# Altium PCB PCB_Layout_1.PcbDoc (part 3 of 3)
Units mm, origin at the board's own origin, x right, y up, seen from the top; angles counter-clockwise.
Board outline 151 x 101.6 mm, 6 copper layers (Top Layer, Int1 (GND), Int2 (PWR), Int3 (PWR), Int4 (GND), Bottom Layer), stack 1.831 mm thick; 257 components, 234 nets, 854 pads, 2543 vias.
Unrouted connection lines stored in the file: 1.
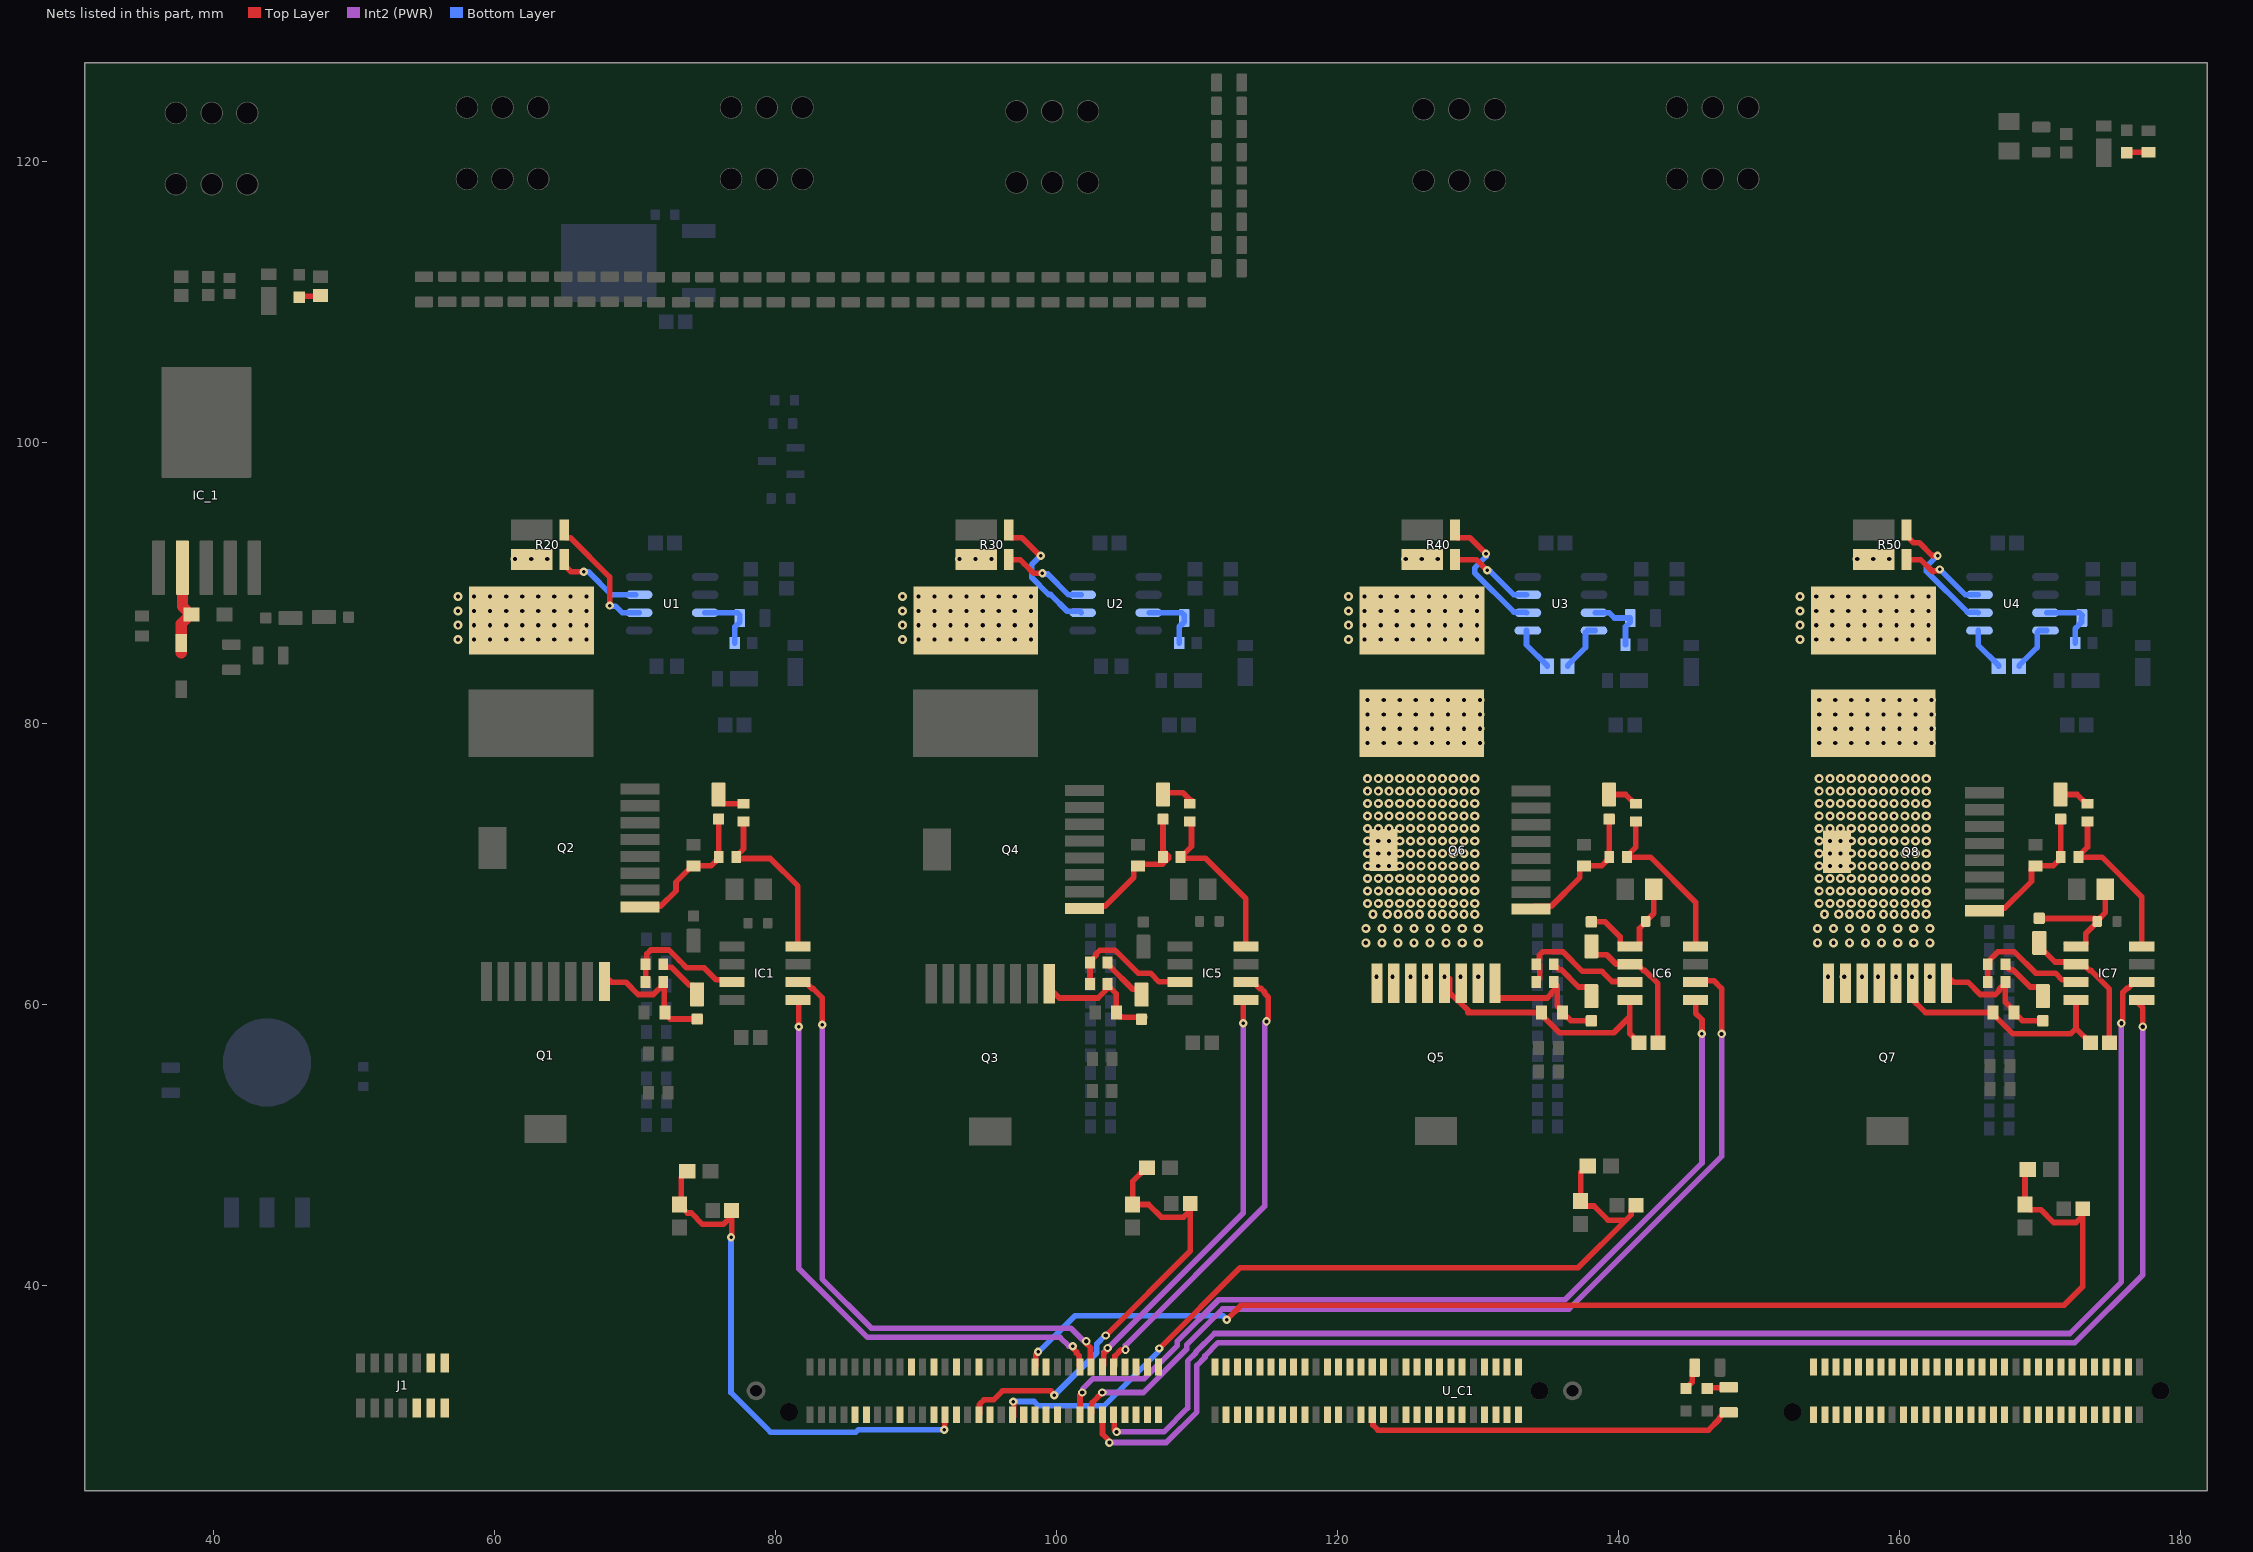
[diagram p7: the nets of this part, all layers, seen from the top]

## Via types
v1: diameter 0.65/0.65/0.65/0.65 (per signal layer), hole 0.3, Top Layer to Bottom Layer, 1060 vias
v2: diameter 0.6/0.6/0.6/0.6 (per signal layer), hole 0.3, Top Layer to Bottom Layer, 739 vias
v3: diameter 0.65, hole 0.3, Top Layer to Bottom Layer, 572 vias
v4: diameter 0.6/0.6/0.6/0.6 (per signal layer), hole 0.25, Top Layer to Bottom Layer, 142 vias
v5: diameter 0.6, hole 0.25, Top Layer to Bottom Layer, 23 vias
v6: diameter 0.6, hole 0.3, Top Layer to Bottom Layer, 7 vias

## Nets (pads, with @x,y where several pads share a name; then routed paths per layer and width w, separated by ;. In a path a pad name is that pad's centre, name@x,y a point inside that pad or via, vN(x,y) a via of type N, cw(c..) or ccw(c..) an arc to the next point about the centre after c; other vN are vias at no path point) (continued)
NetC55_1: C55.1 IC6.4 L4.1 Q5.2 Q5.3 Q5.4 Q5.5 Q5.6 Q5.7 Q5.8 Q6.9 R35.2 | length 18.8
  Top Layer w0.4: Q5.4@127.981,61.833 127.981,60.833 Q5.3@128.551,60.262 ; Q5.3@128.639,60.223 129.343,59.52 ; 129.251,59.436 R35.2@134.505,59.436 134.705,59.236 134.705,59.078 135.793,57.99 139.651,57.99 140.789,59.128 ; IC6.4@140.789,60.325 140.789,59.128 ; C55.1@141.438,57.277 140.789,57.926 140.789,59.128
  other v1: 122.769,61.976 123.912,61.976 125.182,61.976 126.325,61.976 127.595,61.976 128.738,61.976 130.008,61.976 122.007,64.389 123.15,64.389 124.293,64.389 125.436,64.389 126.579,64.389 127.722,64.389 128.865,64.389 130.008,64.389 122.007,65.405 123.15,65.405 124.293,65.405 125.436,65.405 126.579,65.405 127.722,65.405 128.865,65.405 130.008,65.405 122.515,66.421 123.531,66.421 124.293,66.421 125.055,66.421 125.817,66.421 126.706,66.421 127.468,66.421 128.23,66.421 128.992,66.421 129.754,66.421 122.134,67.183 122.896,67.183 123.658,67.183 124.42,67.183 125.182,67.183 125.944,67.183 126.706,67.183 127.468,67.183 128.23,67.183 128.992,67.183 129.754,67.183 122.134,68.072 122.896,68.072 123.658,68.072 124.42,68.072 125.182,68.072 125.944,68.072 126.706,68.072 127.468,68.072 128.23,68.072 128.992,68.072 129.754,68.072 122.134,68.961 122.896,68.961 123.658,68.961 124.42,68.961 125.182,68.961 125.944,68.961 126.706,68.961 127.468,68.961 128.23,68.961 128.992,68.961 129.754,68.961 122.134,69.85 122.896,69.85 123.658,69.85 124.42,69.85 125.182,69.85 125.944,69.85 126.706,69.85 127.468,69.85 128.23,69.85 128.992,69.85 129.754,69.85 122.134,70.739 122.896,70.739 123.658,70.739 124.42,70.739 125.182,70.739 125.944,70.739 126.706,70.739 127.468,70.739 128.23,70.739 128.992,70.739 129.754,70.739 122.134,71.628 122.896,71.628 123.658,71.628 124.42,71.628 125.182,71.628 125.944,71.628 126.706,71.628 127.468,71.628 128.23,71.628 128.992,71.628 129.754,71.628 122.134,72.517 122.896,72.517 123.658,72.517 124.42,72.517 125.182,72.517 125.944,72.517 126.706,72.517 127.468,72.517 128.23,72.517 128.992,72.517 129.754,72.517 122.134,73.406 122.896,73.406 123.658,73.406 124.42,73.406 125.182,73.406 125.944,73.406 126.706,73.406 127.468,73.406 128.23,73.406 128.992,73.406 129.754,73.406 122.134,74.295 122.896,74.295 123.658,74.295 124.42,74.295 125.182,74.295 125.944,74.295 126.706,74.295 127.468,74.295 128.23,74.295 128.992,74.295 129.754,74.295 122.134,75.184 122.896,75.184 123.658,75.184 124.42,75.184 125.182,75.184 125.944,75.184 126.706,75.184 127.468,75.184 128.23,75.184 128.992,75.184 129.754,75.184 122.134,76.073 122.896,76.073 123.658,76.073 124.42,76.073 125.182,76.073 125.944,76.073 126.706,76.073 127.468,76.073 128.23,76.073 128.992,76.073 129.754,76.073 122.134,78.613 123.277,78.613 124.42,78.613 125.563,78.613 126.706,78.613 127.849,78.613 128.992,78.613 130.135,78.613 122.134,79.629 123.277,79.629 124.42,79.629 125.563,79.629 126.706,79.629 127.849,79.629 128.992,79.629 130.135,79.629 122.134,80.645 123.277,80.645 124.42,80.645 125.563,80.645 126.706,80.645 127.849,80.645 128.992,80.645 130.135,80.645 122.134,81.661 123.277,81.661 124.42,81.661 125.563,81.661 126.706,81.661 127.849,81.661 128.992,81.661 130.135,81.661
NetC55_2: C55.2 D15.1 IC6.2 | length 9.7
  Top Layer w0.4: D15.1@138.049,64.135 138.049,63.843 138.349,63.543 139.149,63.543 139.827,62.865 IC6.2@140.789,62.865 ; IC6.2@141.319,62.865 141.762,62.422 141.854,62.422 142.788,61.488 C55.2@142.788,57.277
NetC56_2: C56.2 D15.2 IC6.1 R39.2 | length 8.9
  Top Layer w0.4: D15.2@138.049,65.885 139.039,65.885 140.099,64.825 140.099,64.295 140.259,64.135 IC6.1@140.789,64.135 141.319,64.135 141.479,64.295 141.479,65.421 141.921,65.863 C56.2@141.921,65.913 142.503,66.495 R39.2@142.503,68.199
NetC57_1: C57.1 U3.1 | length 3.1
  Bottom Layer w0.4: U3.1@133.44,86.614 133.44,85.595 134.911,84.124 C57.1@134.911,84.074
NetC57_2: C57.2 U3.8 | length 3.7
  Bottom Layer w0.4: C57.2@136.361,84.074 136.361,84.124 137.64,85.403 137.64,86.475 137.779,86.614 U3.8@138.24,86.614 U3.8@138.34,86.614
NetC62_1: C62.1 IC7.4 L5.1 Q7.2 Q7.3 Q7.4 Q7.5 Q7.6 Q7.7 Q7.8 Q8.9 R45.2 | length 16.8
  Top Layer w0.4: Q7.3@160.712,60.706 160.712,60.556 161.832,59.436 R45.2@166.636,59.436 166.636,59.336 168.06,57.912 172.144,57.912 172.539,58.307 ; IC7.4@172.539,60.325 172.539,58.307 ; C62.1@173.569,57.277 172.539,58.307
  other v1: 154.9,61.976 156.043,61.976 157.313,61.976 158.456,61.976 159.726,61.976 160.869,61.976 162.139,61.976 154.138,64.389 155.281,64.389 156.424,64.389 157.567,64.389 158.71,64.389 159.853,64.389 160.996,64.389 162.139,64.389 154.138,65.405 155.281,65.405 156.424,65.405 157.567,65.405 158.71,65.405 159.853,65.405 160.996,65.405 162.139,65.405 154.646,66.421 155.662,66.421 156.424,66.421 157.186,66.421 157.948,66.421 158.837,66.421 159.599,66.421 160.361,66.421 161.123,66.421 161.885,66.421 154.265,67.183 155.027,67.183 155.789,67.183 156.551,67.183 157.313,67.183 158.075,67.183 158.837,67.183 159.599,67.183 160.361,67.183 161.123,67.183 161.885,67.183 154.265,68.072 155.027,68.072 155.789,68.072 156.551,68.072 157.313,68.072 158.075,68.072 158.837,68.072 159.599,68.072 160.361,68.072 161.123,68.072 161.885,68.072 154.265,68.961 155.027,68.961 155.789,68.961 156.551,68.961 157.313,68.961 158.075,68.961 158.837,68.961 159.599,68.961 160.361,68.961 161.123,68.961 161.885,68.961 154.265,69.85 155.027,69.85 155.789,69.85 156.551,69.85 157.313,69.85 158.075,69.85 158.837,69.85 159.599,69.85 160.361,69.85 161.123,69.85 161.885,69.85 154.265,70.739 155.027,70.739 155.789,70.739 156.551,70.739 157.313,70.739 158.075,70.739 158.837,70.739 159.599,70.739 160.361,70.739 161.123,70.739 161.885,70.739 154.265,71.628 155.027,71.628 155.789,71.628 156.551,71.628 157.313,71.628 158.075,71.628 158.837,71.628 159.599,71.628 160.361,71.628 161.123,71.628 161.885,71.628 154.265,72.517 155.027,72.517 155.789,72.517 156.551,72.517 157.313,72.517 158.075,72.517 158.837,72.517 159.599,72.517 160.361,72.517 161.123,72.517 161.885,72.517 154.265,73.406 155.027,73.406 155.789,73.406 156.551,73.406 157.313,73.406 158.075,73.406 158.837,73.406 159.599,73.406 160.361,73.406 161.123,73.406 161.885,73.406 154.265,74.295 155.027,74.295 155.789,74.295 156.551,74.295 157.313,74.295 158.075,74.295 158.837,74.295 159.599,74.295 160.361,74.295 161.123,74.295 161.885,74.295 154.265,75.184 155.027,75.184 155.789,75.184 156.551,75.184 157.313,75.184 158.075,75.184 158.837,75.184 159.599,75.184 160.361,75.184 161.123,75.184 161.885,75.184 154.265,76.073 155.027,76.073 155.789,76.073 156.551,76.073 157.313,76.073 158.075,76.073 158.837,76.073 159.599,76.073 160.361,76.073 161.123,76.073 161.885,76.073 154.265,78.613 155.408,78.613 156.551,78.613 157.694,78.613 158.837,78.613 159.98,78.613 161.123,78.613 162.266,78.613 154.265,79.629 155.408,79.629 156.551,79.629 157.694,79.629 158.837,79.629 159.98,79.629 161.123,79.629 162.266,79.629 154.265,80.645 155.408,80.645 156.551,80.645 157.694,80.645 158.837,80.645 159.98,80.645 161.123,80.645 162.266,80.645 154.265,81.661 155.408,81.661 156.551,81.661 157.694,81.661 158.837,81.661 159.98,81.661 161.123,81.661 162.266,81.661
NetC62_2: C62.2 D18.1 IC7.2 | length 10.3
  Top Layer w0.4: D18.1@170.053,64.374 170.053,64.024 171.052,63.025 172.379,63.025 IC7.2@172.539,62.865 173.069,62.865 173.512,62.422 173.604,62.422 174.919,61.107 C62.2@174.919,57.277
NetC63_2: C63.2 D18.2 IC7.1 R49.2 | length 10.1
  Top Layer w0.4: D18.2@170.053,66.124 173.891,66.124 C63.2@174.052,65.963 ; IC7.1@171.849,64.295 172.009,64.135 IC7.1@172.539,64.135 173.069,64.135 173.229,64.295 173.229,65.04 174.052,65.863 C63.2@174.052,65.913 C63.2@174.052,65.963 ; R49.2@174.634,68.199 174.634,66.545 C63.2@174.052,65.963
NetC64_1: C64.1 U4.1 | length 3.1
  Bottom Layer w0.4: U4.1@165.571,86.614 165.571,85.595 167.042,84.124 C64.1@167.042,84.074
NetC64_2: C64.2 U4.8 | length 3.7
  Bottom Layer w0.4: C64.2@168.492,84.074 168.492,84.124 169.771,85.403 169.771,86.475 169.91,86.614 U4.8@170.371,86.614 U4.8@170.471,86.614
NetD7_1: D7.1 R9.2 | length 3.4
  Top Layer w0.4: R9.2@72.009,62.79 72.159,62.64 72.615,62.64 73.884,61.371 74.122,61.371 74.422,61.071 D7.1@74.422,60.833
NetD7_2: D7.2 Q1.1 R13.2 R15.1 | length 9.6
  Top Layer w0.4: Q1.1@68.208,61.706 68.319,61.595 69.342,61.595 70.221,60.716 71.297,60.716 R13.2@72.055,61.474 ; R13.2@71.859,61.37 72.009,61.52 R13.2@72.009,61.595 72.072,61.531 72.072,59.399 72.501,58.971 D7.2@74.422,58.971
NetD9_1: D9.1 R16.2 | length 2.3
  Top Layer w0.4: D9.1@75.946,74.945 75.946,74.595 76.256,74.285 R16.2@77.724,74.285
NetD9_2: D9.2 Q2.1 R14.2 R17.1 | length 10.2
  Top Layer w0.4: Q2.1@70.384,66.793 70.584,66.993 71.826,66.993 72.92,68.087 72.92,68.714 74.068,69.862 75.408,69.862 75.956,70.41 R14.2@75.956,70.485 75.951,70.49 75.951,73.19 D9.2@75.946,73.195
NetD10_1: D10.1 IC_1.2 L1.1 | length 6.6
  Top Layer w0.8: 37.719,85.027 D10.1@37.719,85.724 37.719,87.102 L1.1@38.374,87.757 ; IC_1.2@37.797,91.082 37.797,88.334 L1.1@38.374,87.757 ; L1.1@38.449,87.757 L1.1@38.374,87.757
NetD11_1: D11.1 R18.2 | length 3.5
  Top Layer w0.4: R18.2@103.632,62.865 103.674,62.865 103.772,62.767 103.772,62.735 105.42,61.087 106.045,61.087 D11.1@106.299,60.833
NetD11_2: D11.2 Q3.1 R23.2 R25.1 | length 9.8
  Top Layer w0.4: Q3.1@99.314,61.341 100.193,60.462 102.955,60.462 103.622,61.129 R23.2@103.622,61.393 ; R23.2@103.622,61.468 R23.2@103.622,61.393 ; R25.1@104.255,59.309 R25.1@104.255,59.336 ; D11.2@106.299,59.083 104.689,59.083 104.636,59.136 104.455,59.136 R25.1@104.255,59.336 ; R23.2@103.622,61.393 104.255,60.76 R25.1@104.255,59.436 R25.1@104.255,59.336
NetD13_1: D13.1 R26.2 | length 2.3
  Top Layer w0.4: D13.1@107.569,75.072 108.993,75.072 109.526,74.539 R26.2@109.601,74.539
NetD13_2: D13.2 Q4.1 R24.2 R27.1 | length 11
  Top Layer w0.4: Q4.1@102.007,66.793 102.207,66.993 103.449,66.993 105.491,69.035 105.491,69.789 105.691,69.989 107.539,69.989 107.96,70.41 107.96,70.56 107.569,70.951 D13.2@107.569,73.322
NetD14_1: D14.1 R28.2 | length 3.7
  Top Layer w0.4: R28.2@135.382,62.865 135.382,62.79 135.532,62.64 135.607,62.64 135.773,62.474 135.92,62.474 137.15,61.244 137.882,61.244 138.049,61.077 D14.1@138.049,60.848
NetD14_2: D14.2 Q5.1 R33.2 R35.1 | length 10
  Top Layer w0.4: Q5.1@131.292,61.468 131.292,60.662 131.492,60.462 134.914,60.462 135.193,60.741 135.193,60.833 R33.2@135.626,61.266 ; R33.2@135.626,61.341 R33.2@135.626,61.266 ; D14.2@138.049,58.844 136.597,58.844 136.305,59.136 136.205,59.136 136.005,59.336 R35.1@136.005,59.436 136.005,59.536 135.626,59.915 R33.2@135.626,61.266
NetD16_1: D16.1 R36.2 | length 2.2
  Top Layer w0.4: D16.1@139.319,74.945 140.489,74.945 141.149,74.285 R36.2@141.224,74.285
NetD16_2: D16.2 Q6.1 R34.2 R37.1 | length 10.2
  Top Layer w0.4: Q6.1@133.757,66.793 133.957,66.993 135.199,66.993 137.241,69.035 137.241,69.662 137.441,69.862 R37.1@137.541,69.862 138.781,69.862 139.329,70.41 R34.2@139.329,70.485 139.324,70.49 139.324,73.19 D16.2@139.319,73.195
NetD17_1: D17.1 R38.2 | length 3.7
  Top Layer w0.4: R38.2@167.513,62.865 167.513,62.79 167.829,62.474 168.051,62.474 169.281,61.244 169.88,61.244 170.18,60.944 D17.1@170.18,60.721
NetD17_2: D17.2 Q7.1 R43.2 R45.1 | length 9.4
  Top Layer w0.4: Q7.1@163.712,61.706 163.823,61.595 164.846,61.595 165.725,60.716 166.801,60.716 167.08,60.995 167.08,61.087 R43.2@167.513,61.52 ; R43.2@167.513,61.595 R43.2@167.513,61.52 ; D17.2@170.18,58.844 168.728,58.844 168.436,59.136 168.336,59.136 168.136,59.336 R45.1@168.136,59.436 168.136,59.536 167.513,60.159 R43.2@167.513,61.52
NetD19_1: D19.1 R46.2 | length 2.2
  Top Layer w0.4: D19.1@171.45,74.945 172.62,74.945 173.28,74.285 R46.2@173.355,74.285
NetD19_2: D19.2 Q8.1 R44.2 R47.1 | length 10.4
  Top Layer w0.4: Q8.1@165.888,66.793 165.961,66.866 167.474,66.866 169.372,68.764 169.372,69.662 169.572,69.862 R47.1@169.672,69.862 170.912,69.862 171.46,70.41 R44.2@171.46,70.485 171.455,70.49 171.455,73.19 D19.2@171.45,73.195
NetIC1_3: IC1.3 R9.1 R13.1 | length 9.3
  Top Layer w0.4: R13.1@70.759,61.595 R9.1@70.759,62.865 ; R9.1@70.759,63.032 R9.1@70.759,62.865 ; IC1.3@76.908,61.595 76.748,61.755 75.786,61.755 74.93,62.611 73.68,62.611 73.162,63.129 72.41,63.881 71.12,63.881 70.843,63.604 70.843,62.949 R9.1@70.759,62.865
NetIC1_8: IC1.8 R14.1 R16.1 | length 12.3
  Top Layer w0.4: R16.1@77.724,73.035 77.724,71.078 77.206,70.56 R14.1@77.206,70.485 77.298,70.393 79.628,70.393 81.588,68.433 IC1.8@81.588,64.135
NetIC5_3: IC5.3 R18.1 R23.1 | length 9.5
  Top Layer w0.4: R18.1@102.357,63.007 R18.1@102.357,63.052 ; R23.1@102.362,61.341 R23.1@102.367,61.346 ; R18.1@102.372,62.992 102.372,63.067 102.805,63.5 102.805,63.592 103.084,63.871 104.16,63.871 105.801,62.23 106.68,62.23 107.295,61.615 108.765,61.615 IC5.3@108.785,61.595 ; R23.1@102.377,61.346 102.377,62.86 102.382,62.865 R18.1@102.382,62.94
NetIC5_8: IC5.8 R24.1 R26.1 | length 12.2
  Top Layer w0.4: R26.1@109.601,73.035 109.601,71.257 109.054,70.71 108.979,70.71 108.829,70.56 R24.1@108.829,70.485 108.904,70.41 110.584,70.41 113.465,67.529 IC5.8@113.465,64.135
NetIC6_3: IC6.3 R28.1 R33.1 | length 9.5
  Top Layer w0.4: R33.1@134.132,61.595 134.376,61.839 R28.1@134.376,62.865 ; R28.1@134.132,62.865 134.132,62.94 134.366,63.174 134.366,63.52 134.6,63.754 136.026,63.754 137.423,62.357 138.811,62.357 139.533,61.635 140.749,61.635 IC6.3@140.789,61.595
NetIC6_8: IC6.8 R34.1 R36.1 | length 12.2
  Top Layer w0.4: R36.1@141.224,73.035 141.224,71.205 140.579,70.56 R34.1@140.579,70.485 142.259,70.485 145.469,67.275 IC6.8@145.469,64.135
NetIC7_3: IC7.3 R38.1 R43.1 | length 8.9
  Top Layer w0.4: R43.1@166.263,61.595 R38.1@166.263,62.865 166.413,63.015 166.413,63.182 166.975,63.744 168.158,63.744 169.672,62.23 171.069,62.23 171.544,61.755 172.379,61.755 IC7.3@172.539,61.595
NetIC7_8: IC7.8 R44.1 R46.1 | length 12
  Top Layer w0.4: R46.1@173.355,73.035 173.355,71.205 172.71,70.56 R44.1@172.71,70.485 174.39,70.485 177.219,67.656 IC7.8@177.219,64.135
NetJ1_10: J1.10
NetJ1_11: J1.11
NetJ1_12: J1.12
NetJ1_13: J1.13
NetJ1_14: J1.14
NetL2_2: L2.2 R20.1
  other v1: 57.404,85.979 58.547,85.979 59.69,85.979 60.833,85.979 61.976,85.979 63.119,85.979 64.262,85.979 65.405,85.979 66.548,85.979 57.404,86.995 58.547,86.995 59.69,86.995 60.833,86.995 61.976,86.995 63.119,86.995 64.262,86.995 65.405,86.995 66.548,86.995 57.404,88.011 58.547,88.011 59.69,88.011 60.833,88.011 61.976,88.011 63.119,88.011 64.262,88.011 65.405,88.011 66.548,88.011 57.404,89.027 58.547,89.027 59.69,89.027 60.833,89.027 61.976,89.027 63.119,89.027 64.262,89.027 65.405,89.027 66.548,89.027 61.468,91.694 62.611,91.694 63.754,91.694
NetL3_2: L3.2 R30.1
  other v1: 89.027,85.979 90.17,85.979 91.313,85.979 92.456,85.979 93.599,85.979 94.742,85.979 95.885,85.979 97.028,85.979 98.171,85.979 89.027,86.995 90.17,86.995 91.313,86.995 92.456,86.995 93.599,86.995 94.742,86.995 95.885,86.995 97.028,86.995 98.171,86.995 89.027,88.011 90.17,88.011 91.313,88.011 92.456,88.011 93.599,88.011 94.742,88.011 95.885,88.011 97.028,88.011 98.171,88.011 89.027,89.027 90.17,89.027 91.313,89.027 92.456,89.027 93.599,89.027 94.742,89.027 95.885,89.027 97.028,89.027 98.171,89.027 93.091,91.694 94.234,91.694 95.377,91.694
NetL4_2: L4.2 R40.1
  other v1: 120.777,85.979 121.92,85.979 123.063,85.979 124.206,85.979 125.349,85.979 126.492,85.979 127.635,85.979 128.778,85.979 129.921,85.979 120.777,86.995 121.92,86.995 123.063,86.995 124.206,86.995 125.349,86.995 126.492,86.995 127.635,86.995 128.778,86.995 129.921,86.995 120.777,88.011 121.92,88.011 123.063,88.011 124.206,88.011 125.349,88.011 126.492,88.011 127.635,88.011 128.778,88.011 129.921,88.011 120.777,89.027 121.92,89.027 123.063,89.027 124.206,89.027 125.349,89.027 126.492,89.027 127.635,89.027 128.778,89.027 129.921,89.027 124.841,91.694 125.984,91.694 127.127,91.694
NetL5_2: L5.2 R50.1
  other v1: 152.908,85.979 154.051,85.979 155.194,85.979 156.337,85.979 157.48,85.979 158.623,85.979 159.766,85.979 160.909,85.979 162.052,85.979 152.908,86.995 154.051,86.995 155.194,86.995 156.337,86.995 157.48,86.995 158.623,86.995 159.766,86.995 160.909,86.995 162.052,86.995 152.908,88.011 154.051,88.011 155.194,88.011 156.337,88.011 157.48,88.011 158.623,88.011 159.766,88.011 160.909,88.011 162.052,88.011 152.908,89.027 154.051,89.027 155.194,89.027 156.337,89.027 157.48,89.027 158.623,89.027 159.766,89.027 160.909,89.027 162.052,89.027 156.972,91.694 158.115,91.694 159.258,91.694
NetLED1_2: LED1.2 R5.2 | length 1.5
  Top Layer w0.4: LED1.2@176.16,120.611 176.184,120.636 177.659,120.636 R5.2@177.684,120.661
NetLED2_2: LED2.2 R6.2 | length 1.6
  Top Layer w0.4: LED2.2@46.101,110.325 46.163,110.388 47.563,110.388 R6.2@47.625,110.45
NetLED3_2: LED3.2 R7.2 | length 1.7
  Top Layer w0.4: LED3.2@144.78,32.677 145.234,33.131 145.234,33.983 R7.2@145.414,34.163
NetLED4_2: LED4.2 R8.2 | length 1.6
  Top Layer w0.4: LED4.2@146.304,32.677 146.349,32.722 147.783,32.722 R8.2@147.828,32.767
NetR20_2: R20.2 U1.3 | length 6.4
  Top Layer w0.4: R20.2@64.971,91.657 64.971,91.26 65.426,90.805 v4(66.358,90.805)
  Bottom Layer w0.4: v4(66.358,90.805) 66.675,90.805 68.326,89.154 U1.3@70.067,89.154
NetR20_3: R20.3 U1.2 | length 9.2
  Top Layer w0.4: R20.3@64.971,93.763 64.971,93.365 65.121,93.215 65.408,93.215 68.199,90.424 v4(68.199,88.392)
  Bottom Layer w0.4: v4(68.199,88.392) 68.237,88.354 68.616,88.354 69.086,87.884 U1.2@70.294,87.884
NetR21_1: R21.1 R22.1 U1.7 | length 4.5
  Bottom Layer w0.4: U1.7@74.967,87.884 U1.7@74.994,87.884 77.279,87.884 R22.1@77.459,87.704 ; R21.1@77.109,85.725 77.109,86.883 77.459,87.233 R22.1@77.459,87.503
NetR30_2: R30.2 U2.3 | length 6.5
  Top Layer w0.4: R30.2@96.594,91.26 R30.2@96.594,91.657 97.409,91.657 97.67,91.395 97.67,91.382 98.374,90.678 v4@98.933,90.678
  Bottom Layer w0.4: v4(98.997,90.678) 99.035,90.64 99.368,90.64 100.854,89.154 U2.3@101.754,89.154
NetR30_3: R30.3 U2.2 | length 9.6
  Top Layer w0.4: R30.3@96.594,93.763 96.594,93.366 96.744,93.216 97.538,93.216 v4@98.806,91.948
  Bottom Layer w0.4: v4(98.87,91.948) 98.235,91.313 98.235,90.374 99.435,89.174 99.564,89.174 100.756,87.982 101.656,87.982 U2.2@101.754,87.884
NetR31_1: R31.1 R32.1 U2.7 | length 4.7
  Bottom Layer w0.4: U2.7@106.59,87.884 108.902,87.884 109.082,87.704 R32.1@109.082,87.503 109.082,87.233 108.732,86.883 R31.1@108.732,85.725
NetR40_2: R40.2 U3.3 | length 6.1
  Top Layer w0.4: R40.2@128.344,91.657 129.881,91.657 v4(130.645,90.894)
  Bottom Layer w0.4: v4(130.645,90.894) 130.683,90.855 130.839,90.855 132.54,89.154 U3.3@133.44,89.154
NetR40_3: R40.3 U3.2 | length 9.7
  Top Layer w0.4: R40.3@128.344,93.763 128.344,93.366 128.494,93.216 129.415,93.216 v4(130.556,92.075)
  Bottom Layer w0.4: v4(130.556,92.075) 130.556,91.871 129.744,91.059 129.744,90.728 132.55,87.922 133.402,87.922 U3.2@133.44,87.884
NetR41_1: R41.1 R42.1 U3.7 | length 4.7
  Bottom Layer w0.4: U3.7@138.34,87.884 139.321,87.884 139.702,87.503 R42.1@140.832,87.503 140.832,87.233 140.482,86.883 R41.1@140.482,85.598
NetR50_2: R50.2 U4.3 | length 6.3
  Top Layer w0.4: R50.2@160.475,91.657 161.484,91.657 162.346,90.795 162.406,90.855 162.737,90.855 v4(162.839,90.957)
  Bottom Layer w0.4: v4(162.839,90.957) 162.868,90.957 164.671,89.154 U4.3@165.571,89.154
NetR50_3: R50.3 U4.2 | length 9.5
  Top Layer w0.4: R50.3@160.475,93.763 160.475,93.366 160.982,92.859 161.395,92.859 162.306,91.948 v4(162.687,91.948)
  Bottom Layer w0.4: v4(162.687,91.948) 161.9,91.161 161.9,90.83 164.808,87.922 165.533,87.922 U4.2@165.571,87.884
NetR51_1: R51.1 R52.1 U4.7 | length 4.5
  Bottom Layer w0.4: U4.7@170.471,87.884 172.783,87.884 R52.1@172.963,87.704 ; R51.1@172.486,85.725 172.486,86.756 R52.1@172.783,87.053 ; R52.1@172.783,87.053 172.934,87.204 R52.1@172.934,87.474
NetU_C1_9: U_C1.9
NetU_C1_11: U_C1.11
NetU_C1_17: U_C1.17
NetU_C1_20: U_C1.20
NetU_C1_23: U_C1.23
NetU_C1_24: U_C1.24
NetU_C1_27: U_C1.27
NetU_C1_28: U_C1.28
NetU_C1_32: U_C1.32
NetU_C1_33: U_C1.33
NetU_C1_39: U_C1.39
NetU_C1_41: U_C1.41
NetU_C1_43: U_C1.43
NetU_C1_44: U_C1.44
NetU_C1_45: U_C1.45
NetU_C1_57: U_C1.57
NetU_C1_58: U_C1.58
NetU_C1_59: U_C1.59
NetU_C1_60: U_C1.60
NetU_C1_61: U_C1.61
NetU_C1_62: U_C1.62
NetU_C1_63: U_C1.63
NetU_C1_64: U_C1.64
NetU_C1_66: U_C1.66
NetU_C1_67: U_C1.67
NetU_C1_68: U_C1.68
NetU_C1_69: U_C1.69
NetU_C1_70: U_C1.70
NetU_C1_71: U_C1.71
NetU_C1_72: U_C1.72
NetU_C1_73: U_C1.73
NetU_C1_74: U_C1.74
NetU_C1_75: U_C1.75
NetU_C1_76: U_C1.76
NetU_C1_77: U_C1.77
NetU_C1_78: U_C1.78
NetU_C1_79: U_C1.79
NetU_C1_80: U_C1.80
NetU_C1_81: U_C1.81
NetU_C1_82: U_C1.82
NetU_C1_85: U_C1.85
NetU_C1_86: U_C1.86
NetU_C1_87: U_C1.87
NetU_C1_88: U_C1.88
NetU_C1_90: U_C1.90
NetU_C1_91: U_C1.91
NetU_C1_92: U_C1.92
NetU_C1_94: U_C1.94
NetU_C1_95: U_C1.95
NetU_C1_96: U_C1.96
NetU_C1_99: U_C1.99
NetU_C1_100: U_C1.100
NetU_C1_101: U_C1.101
NetU_C1_102: U_C1.102
NetU_C1_103: U_C1.103
NetU_C1_104: U_C1.104
NetU_C1_105: U_C1.105
NetU_C1_106: U_C1.106
NetU_C1_107: U_C1.107
NetU_C1_108: U_C1.108
NetU_C1_109: U_C1.109
NetU_C1_110: U_C1.110
NetU_C1_113: U_C1.113
NetU_C1_114: U_C1.114
NetU_C1_115: U_C1.115
NetU_C1_116: U_C1.116
NetU_C1_117: U_C1.117
NetU_C1_118: U_C1.118
NetU_C1_119: U_C1.119
NetU_C1_120: U_C1.120
NetU_C1_121: U_C1.121
NetU_C1_122: U_C1.122
NetU_C1_123: U_C1.123
NetU_C1_124: U_C1.124
NetU_C1_125: U_C1.125
NetU_C1_126: U_C1.126
NetU_C1_127: U_C1.127
NetU_C1_128: U_C1.128
NetU_C1_129: U_C1.129
NetU_C1_130: U_C1.130
NetU_C1_131: U_C1.131
NetU_C1_132: U_C1.132
NetU_C1_133: U_C1.133
NetU_C1_134: U_C1.134
NetU_C1_136: U_C1.136
NetU_C1_137: U_C1.137
NetU_C1_138: U_C1.138
NetU_C1_139: U_C1.139
NetU_C1_140: U_C1.140
NetU_C1_141: U_C1.141
NetU_C1_142: U_C1.142
NetU_C1_143: U_C1.143
NetU_C1_144: U_C1.144
NetU_C1_145: U_C1.145
NetU_C1_146: U_C1.146
NetU_C1_147: U_C1.147
NetU_C1_148: U_C1.148
NetU_C1_149: U_C1.149
NetU_C1_150: U_C1.150
NetU_C1_151: U_C1.151
NetU_C1_152: U_C1.152
NetU_C1_153: U_C1.153
NetU_C1_154: U_C1.154
NetU_C1_155: U_C1.155
NetU_C1_156: U_C1.156
NetU_C1_159: U_C1.159
NetU_C1_160: U_C1.160
NetU_C1_161: U_C1.161
NetU_C1_162: U_C1.162
NetU_C1_163: U_C1.163
NetU_C1_164: U_C1.164
NetU_C1_165: U_C1.165
NetU_C1_166: U_C1.166
NetU_C1_167: U_C1.167
NetU_C1_168: U_C1.168
NetU_C1_169: U_C1.169
NetU_C1_170: U_C1.170
NetU_C1_171: U_C1.171
NetU_C1_172: U_C1.172
NetU_C1_173: U_C1.173
NetU_C1_174: U_C1.174
NetU_C1_175: U_C1.175
NetU_C1_176: U_C1.176
NetU_C1_177: U_C1.177
NetU_C1_178: U_C1.178
PWM_HIN_1: IC1.5 U_C1.50 | length 42.6
  Top Layer w0.4: IC1.5@81.588,60.325 81.661,60.252 v4(81.661,58.42) ; v5(101.138,35.695) 101.138,35.554 101.421,35.271 101.421,35.195 101.613,35.003 101.613,34.262 U_C1.50@101.663,34.212
  Int2 (PWR) w0.4: v4(81.661,58.42) 81.661,41.198 86.545,36.314 100.256,36.314 100.875,35.695 v5(101.138,35.695)
PWM_HIN_2: IC5.5 U_C1.54 | length 31.1
  Top Layer w0.4: U_C1.54@103.278,34.231 103.359,34.312 103.359,35.159 103.632,35.432 v6(103.632,35.56) ; v4(113.284,58.674) 113.284,60.165 113.444,60.325 IC5.5@113.465,60.325
  Int2 (PWR) w0.4: 103.378,35.256 103.632,35.51 v6(103.632,35.56) ; 103.379,35.256 103.878,35.756 113.284,45.162 v4(113.284,58.674)
PWM_HIN_3: IC6.5 U_C1.49 | length 64.5
  Top Layer w0.4: U_C1.49@101.663,30.906 101.663,32.19 101.819,32.347 v6(101.819,32.393) ; IC6.5@145.469,60.325 145.469,59.382 145.923,58.928 v4(145.923,57.912)
  Int2 (PWR) w0.4: v6(101.819,32.393) 101.819,32.401 101.854,32.436 101.854,32.639 102.598,33.383 106.24,33.383 108.597,35.74 108.597,36.051 111.538,38.992 136.188,38.992 145.923,48.727 v4(145.923,57.912)
PWM_HIN_4: IC7.5 U_C1.53 | length 102.5
  Top Layer w0.4: U_C1.53@103.265,30.713 103.265,29.442 103.759,28.948 v6(103.759,28.829) ; IC7.5@177.219,60.325 177.071,60.325 176.911,60.165 177.292,59.784 v2(177.292,58.42)
  Int2 (PWR) w0.4: v6(103.759,28.829) 103.767,28.837 107.806,28.837 109.981,31.012 109.981,34.321 110.559,34.899 110.559,35 111.497,35.938 172.463,35.938 177.292,40.767 v2(177.292,58.42)
PWM_LIN_1: IC1.6 U_C1.52 | length 44.8
  Top Layer w0.4: IC1.6@81.588,61.595 82.118,61.595 82.574,61.139 82.666,61.139 83.312,60.493 v4(83.312,58.547) ; v6(102.108,36.041) 102.108,35.887 102.413,35.582 102.413,34.262 U_C1.52@102.463,34.212
  Int2 (PWR) w0.4: v4(83.312,58.547) 83.312,40.472 86.816,36.968 101.027,36.968 101.954,36.041 v6(102.108,36.041)
PWM_LIN_2: IC5.6 U_C1.56 | length 33.1
  Top Layer w0.4: U_C1.56@104.078,34.231 104.159,34.312 104.159,35 104.592,35.433 v6(104.902,35.433) ; IC5.6@113.465,61.595 113.995,61.595 114.451,61.139 114.543,61.139 114.809,60.873 114.809,60.781 115.062,60.528 115.062,58.982 v2@114.935,58.855
  Int2 (PWR) w0.4: v6(104.902,35.433) 104.902,35.743 114.808,45.649 114.808,58.674 v2(114.935,58.801)
PWM_LIN_3: IC6.6 U_C1.51 | length 67.1
  Top Layer w0.4: U_C1.51@102.478,30.891 102.513,30.926 102.513,31.647 103.251,32.385 v6(103.251,32.393) ; IC6.6@145.469,61.595 145.563,61.689 146.775,61.689 147.32,61.144 v2(147.32,57.912)
  Int2 (PWR) w0.4: v6(103.251,32.393) 106.175,32.393 109.251,35.469 109.251,35.78 111.809,38.338 136.459,38.338 147.32,49.199 v2(147.32,57.912)
PWM_LIN_4: IC7.6 U_C1.55 | length 101.5
  Top Layer w0.4: U_C1.55@104.063,30.812 104.113,30.762 104.113,29.745 v6(104.267,29.591) ; v2(175.768,58.674) 175.875,58.781 175.875,60.873 176.154,61.152 176.246,61.152 176.689,61.595 IC7.6@177.219,61.595
  Int2 (PWR) w0.4: v6(104.267,29.591) 107.635,29.591 109.327,31.283 109.327,34.621 109.905,35.199 109.905,35.271 111.226,36.592 172.101,36.592 175.768,40.259 v2(175.768,58.674)
"Red Led": R8.1 U_C1.93 | length 26.8
  Top Layer w0.4: U_C1.93@122.463,30.812 122.513,30.762 122.513,30.07 122.865,29.718 146.387,29.718 147.158,30.489 147.158,30.577 147.558,30.977 R8.1@147.828,30.977
TEMP_1: C27.1 R10.2 RT1.1 U_C1.25 | length 36.6
  Top Layer w0.4: RT1.1@73.46,47.844 73.279,47.663 73.279,45.9 R10.2@73.152,45.773 73.152,45.737 73.725,45.164 74.008,45.164 74.812,44.36 76.277,44.36 76.875,44.958 76.875,43.474 v4(76.833,43.432) ; v5(92.007,29.729) 92.035,29.757 92.035,30.556 U_C1.25@92.065,30.586
  Bottom Layer w0.4: v4(76.833,43.432) 76.833,32.387 79.643,29.577 85.722,29.577 85.874,29.729 v5(92.007,29.729)
TEMP_2: C31.1 R11.2 RT2.1 U_C1.31 | length 31.6
  Top Layer w0.4: U_C1.31@94.463,30.812 94.513,30.862 94.513,31.528 94.559,31.574 94.559,31.6 94.825,31.866 95.517,31.866 96.155,32.504 99.599,32.504 99.599,32.485 99.833,32.251 v5(99.833,32.196) ; v2(103.505,36.449) 109.514,42.458 109.514,45.339 109.043,44.868 107.451,44.868 106.546,45.773 R11.2@105.41,45.773 105.41,47.42 106.377,48.387 RT2.1@106.427,48.387
  Bottom Layer w0.4: v5(99.833,32.196) 102.862,35.225 102.862,35.856 103.455,36.449 v2(103.505,36.449)
TEMP_3: C28.1 R12.2 RT3.1 U_C1.37 | length 58.4
  Top Layer w0.4: v5(96.901,31.75) 96.901,31.704 96.982,31.623 96.959,31.6 96.959,30.68 U_C1.37@96.915,30.636 ; v4(107.315,35.524) 113.057,41.267 137.113,41.267 140.506,44.66 ; RT3.1@137.795,48.514 137.745,48.514 137.287,48.056 R12.2@137.287,46.027 137.287,45.991 137.618,45.66 138.242,45.66 139.242,44.66 140.506,44.66 ; C28.1@141.224,45.72 140.899,45.395 140.899,45.053 140.506,44.66
  Bottom Layer w0.4: v5(96.901,31.75) 98.397,31.75 98.704,31.442 103.367,31.442 107.276,35.352 107.276,35.486 v4(107.315,35.524)
TEMP_4: C32.1 R48.2 RT4.1 U_C1.42 | length 90.1
  Top Layer w0.4: U_C1.42@98.463,34.212 98.513,34.262 98.513,35.086 98.679,35.252 v5(98.679,35.306) ; v4(112.121,37.584) 113.137,38.6 171.696,38.6 173.014,39.918 173.014,44.958 172.543,44.487 170.951,44.487 170.032,45.406 169.241,45.406 168.91,45.737 R48.2@168.91,45.773 168.91,48.144 RT4.1@169.026,48.26
  Bottom Layer w0.4: v5(98.679,35.306) 98.758,35.306 101.309,37.857 111.848,37.857 v4(112.121,37.584)
pads on no net: U_C1. U_C1.P1 U_C1.P2

## Polygon pours and split planes (outlines as drawn)
12V on Bottom Layer "NONET_L-01_P-001" (solid, pour order 127): 54.356,110.363 112.903,110.363 112.903,93.091 54.356,93.091
GND on Bottom Layer "GND_L06_P042" (solid, pour order 42): 54.102,126.492 111.633,126.492 111.633,111.125 54.102,111.125
48V on Bottom Layer "48V_L06_P032" (solid, pour order 32): 57.912,58.547 71.247,58.547 71.247,49.784 57.912,49.784
12V on Bottom Layer "NONET_L-01_P-001" (solid, pour order 122): 112.906,93.091 181.486,93.091 181.486,127 112.906,127
GND on Bottom Layer "GND_L06_P069" (solid, pour order 69): 166.937,93.218 176.149,93.218 176.149,50.038 167.306,50.038
GND on Bottom Layer "GND_L06_P068" (solid, pour order 68): 134.806,93.218 144.018,93.218 144.018,50.038 135.175,50.038
GND on Bottom Layer "GND_L06_P067" (solid, pour order 67): 103.056,93.218 112.268,93.218 112.268,50.038 103.425,50.038
GND on Bottom Layer "GND_L06_P023" (solid, pour order 23): 71.433,93.218 80.645,93.218 80.645,50.038 71.802,50.038
NetL5_2 on Bottom Layer "NETL5_2_L06_P081" (solid, pour order 81): 152.019,92.456 159.766,92.456 159.766,89.789 162.56,89.789 162.56,84.963 152.019,84.963
NetL4_2 on Bottom Layer "NETL4_2_L06_P080" (solid, pour order 80): 119.888,92.456 127.635,92.456 127.635,89.789 130.429,89.789 130.429,84.963 119.888,84.963
NetL3_2 on Bottom Layer "NETL3_2_L06_P079" (solid, pour order 79): 88.138,92.456 95.885,92.456 95.885,89.789 98.679,89.789 98.679,84.963 88.138,84.963
NetL2_2 on Bottom Layer "NETL2_2_L06_P078" (solid, pour order 78): 56.515,92.456 64.262,92.456 64.262,89.789 67.056,89.789 67.056,84.963 56.515,84.963
48V on Bottom Layer "48V_L06_P076" (solid, pour order 76): 165.608,65.659 166.751,65.659 166.751,58.547 165.608,58.547
48V on Bottom Layer "48V_L06_P075" (solid, pour order 75): 133.477,65.786 134.62,65.786 134.62,58.547 133.477,58.547
48V on Bottom Layer "48V_L06_P074" (solid, pour order 74): 101.727,65.786 102.87,65.786 102.87,58.547 101.727,58.547
NetC62_1 on Bottom Layer "NETC62_1_L06_P072" (solid, pour order 72): 153.67,82.423 162.56,82.423 162.56,60.96 153.543,60.96
NetC55_1 on Bottom Layer "NETC55_1_L06_P071" (solid, pour order 71): 121.539,82.423 130.429,82.423 130.429,60.96 121.412,60.96
NetC48_1 on Bottom Layer "NETC48_1_L06_P070" (solid, pour order 70): 89.598,82.423 98.679,82.423 98.679,60.96 89.471,60.96
48V on Bottom Layer "48V_L06_P066" (solid, pour order 66): 151.384,50.292 167.386,50.292 167.386,42.164 151.384,42.164
48V on Bottom Layer "48V_L06_P065" (solid, pour order 65): 119.253,50.292 135.255,50.292 135.255,42.164 119.253,42.164
48V on Bottom Layer "48V_L06_P064" (solid, pour order 64): 87.63,50.419 103.505,50.419 103.505,42.291 87.63,42.291
48V on Bottom Layer "48V_L06_P063" (solid, pour order 63): 153.416,58.547 166.751,58.547 166.751,49.784 153.416,49.784
48V on Bottom Layer "48V_L06_P062" (solid, pour order 62): 121.285,58.547 134.62,58.547 134.62,49.784 121.285,49.784
48V on Bottom Layer "48V_L06_P061" (solid, pour order 61): 89.535,58.547 102.87,58.547 102.87,49.784 89.535,49.784
NetC36_1 on Bottom Layer "NETC36_1_L06_P043" (solid, pour order 43): 58.103,82.423 67.31,82.423 67.31,60.96 57.976,60.96
48V on Bottom Layer "48V_L06_P033" (solid, pour order 33): 70.104,65.405 71.247,65.405 71.247,58.547 70.104,58.547
48V on Bottom Layer "48V_L06_P019" (solid, pour order 19): 55.88,50.292 71.882,50.292 71.882,42.291 55.88,42.291
GND on Top Layer "NONET_L-01_P-001" (solid, pour order 118): 53.975,126.492 111.76,126.492 111.76,111.379 53.975,111.379
12V on Top Layer "NONET_L-01_P-001" (solid, pour order 130): 111.062,110.363 112.675,110.363 112.675,111.853
12V on Top Layer "12V_L01_P034" (solid, remove dead copper, pour order 34): 54.356,110.363 112.776,110.363 112.776,92.964 54.356,92.964
48V on Top Layer "48V_L01_P085" (solid, pour order 85): 57.912,57.738 59.285,57.738 59.285,50.466 57.912,50.466
12V on Top Layer "12V_L01_P083" (solid, remove dead copper, pour order 83): 112.649,126.492 181.356,126.492 181.356,93.091 112.649,93.091
GND on Top Layer "GND_L01_P057" (solid, pour order 57): 167.513,57.658 174.879,57.658 174.879,44.958 167.513,44.958
GND on Top Layer "GND_L01_P056" (solid, pour order 56): 135.382,57.531 142.748,57.531 142.748,45.212 135.382,45.212
GND on Top Layer "GND_L01_P049" (solid, pour order 49): 103.632,57.658 110.998,57.658 110.998,45.339 103.632,45.339
GND on Top Layer "GND_L01_P041" (solid, pour order 41): 72.009,57.658 79.375,57.658 79.375,44.831 72.009,44.831
GND on Top Layer "GND_L01_P055" (solid, pour order 55): 165.16,77.343 178.054,77.343 178.054,64.77 165.223,64.77
GND on Top Layer "GND_L01_P048" (solid, pour order 48): 101.279,77.343 114.173,77.343 114.173,64.77 101.342,64.77
GND on Top Layer "GND_L01_P025" (solid, pour order 25): 69.656,77.343 82.55,77.343 82.55,64.77 69.719,64.77
48V on Top Layer "48V_L01_P088" (solid, pour order 88): 153.416,57.611 154.789,57.611 154.789,50.311 153.416,50.311
48V on Top Layer "48V_L01_P087" (solid, pour order 87): 121.285,57.611 122.658,57.611 122.658,50.259 121.285,50.259
48V on Top Layer "48V_L01_P086" (solid, pour order 86): 89.535,57.531 90.935,57.531 90.935,50.259 89.535,50.259
NetL5_2 on Top Layer "NETL5_2_L01_P073" (solid, pour order 73): 152.019,92.456 159.766,92.456 159.766,84.709 152.019,84.709
NetL4_2 on Top Layer "NETL4_2_L01_P060" (solid, pour order 60): 119.888,92.456 127.635,92.456 127.635,84.709 119.888,84.709
48V on Top Layer "48V_L01_P059" (solid, pour order 59): 163.481,57.531 166.878,57.531 166.878,50.292 163.481,50.292
48V on Top Layer "48V_L01_P058" (solid, pour order 58): 131.35,57.531 134.747,57.531 134.747,50.292 131.35,50.292
GND on Top Layer "GND_L01_P054" (solid, pour order 54): 133.029,77.343 145.923,77.343 145.923,64.77 133.092,64.77
48V on Top Layer "48V_L01_P053" (solid, pour order 53): 151.384,50.292 166.878,50.292 166.878,42.164 151.384,42.164
48V on Top Layer "48V_L01_P052" (solid, pour order 52): 119.253,50.292 134.747,50.292 134.747,42.164 119.253,42.164
48V on Top Layer "48V_L01_P051" (solid, pour order 51): 87.503,50.419 102.997,50.419 102.997,42.164 87.503,42.164
48V on Top Layer "48V_L01_P050" (solid, pour order 50): 99.635,57.531 102.997,57.531 102.997,50.292 99.635,50.292
NetL3_2 on Top Layer "NETL3_2_L01_P047" (solid, pour order 47): 88.138,92.456 95.885,92.456 95.885,84.709 88.138,84.709
NetC62_1 on Top Layer "NETC62_1_L01_P046" (solid, pour order 46): 153.71,82.677 162.557,82.677 162.557,60.833 153.528,60.833
NetC55_1 on Top Layer "NETC55_1_L01_P045" (solid, pour order 45): 121.356,77.851 130.426,77.851 130.426,60.833 121.214,60.833
NetC48_1 on Top Layer "NETC48_1_L01_P044" (solid, pour order 44): 89.606,77.851 98.676,77.851 98.676,60.833 89.464,60.833
48V on Top Layer "48V_L01_P040" (solid, pour order 40): 67.945,57.531 71.374,57.531 71.374,50.292 67.945,50.292
48V on Top Layer "48V_L01_P020" (solid, pour order 20): 55.753,50.546 71.374,50.546 71.374,42.291 55.753,42.291
48V on Top Layer "48V_L01_P018" (solid, pour order 18): 34.29,125.984 46.101,125.984 46.101,114.808 45.974,114.681 34.417,114.681
NetL2_2 on Top Layer "NETL2_2_L01_P016" (solid, pour order 16): 56.515,92.456 64.262,92.456 64.262,84.709 56.515,84.709
NetC36_1 on Top Layer "NETC36_1_L01_P009" (solid, remove dead copper, pour order 9): 58.206,82.423 67.31,82.423 67.31,60.96 58.027,60.96
48V on Int2 (PWR) "48V_L03_P092" (solid, pour order 92): 31.501,127 53.854,127 53.854,116.683 53.854,59.406 56.521,59.406 181.489,59.406 181.489,25.908 31.373,25.908
GND on Int2 (PWR) "NONET_L-01_P-001" (solid, pour order 124): 53.975,126.619 53.975,111.379 111.76,111.379 111.76,126.619
12V on Int2 (PWR) "NONET_L-01_P-001" (solid, pour order 120): 112.776,110.363 54.356,110.363 54.356,93.091 112.776,93.091
NetL4_2 on Int2 (PWR) "NETL4_2_L03_P098" (solid, pour order 98): 119.888,92.456 131.191,92.456 131.191,84.963 120.015,84.963
NetL5_2 on Int2 (PWR) "NETL5_2_L03_P100" (solid, pour order 100): 152.019,92.329 163.322,92.329 163.322,84.836 152.019,84.836
12V on Int2 (PWR) "NONET_L-01_P-001" (solid, pour order 119): 112.649,127 181.356,127 181.356,93.091 112.649,93.091
NetL2_2 on Int2 (PWR) "NETL2_2_L03_P094" (solid, pour order 94): 56.515,92.456 67.818,92.456 67.818,84.963 56.515,84.963
NetC62_1 on Int2 (PWR) "NETC62_1_L03_P105" (solid, pour order 105): 153.416,82.296 162.687,82.296 162.814,82.169 162.814,60.833 153.416,60.833
NetC55_1 on Int2 (PWR) "NETC55_1_L03_P097" (solid, pour order 97): 121.666,82.423 130.429,82.423 130.429,60.833 121.539,60.833 121.412,60.96
NetL3_2 on Int2 (PWR) "NETL3_2_L03_P096" (solid, pour order 96): 88.138,92.456 99.441,92.456 99.441,84.709 99.314,84.836 88.138,84.836
NetC48_1 on Int2 (PWR) "NETC48_1_L03_P095" (solid, pour order 95): 89.789,82.423 98.806,82.423 98.679,82.296 98.679,60.706 89.662,60.706
NetC36_1 on Int2 (PWR) "NETC36_1_L03_P093" (solid, pour order 93): 58.039,82.423 67.31,82.423 67.437,82.296 67.437,60.96 58.039,60.96
12V on Int3 (PWR) "NONET_L-01_P-001" (solid, pour order 128): 110.925,110.236 112.903,110.236 112.903,112.082
48V on Int3 (PWR) "NONET_L-01_P-001" (solid, pour order 126): 31.875,126.492 53.848,126.492 53.848,59.436 181.483,59.436 181.61,59.309 181.61,25.908 31.369,25.908
12V on Int3 (PWR) "NONET_L-01_P-001" (solid, pour order 121): 54.342,110.363 112.649,110.363 112.649,126.873 113.03,126.492 181.356,126.492 181.356,93.345 181.483,93.218 181.229,92.964 54.342,92.964
NetL4_2 on Int3 (PWR) "NETL4_2_L04_P111" (solid, pour order 111): 119.888,92.456 131.318,92.456 131.318,84.709 119.888,84.709
NetL5_2 on Int3 (PWR) "NETL5_2_L04_P113" (solid, pour order 113): 152.019,92.583 163.322,92.583 163.322,84.963 163.068,84.709 152.019,84.709
GND on Int3 (PWR) "NONET_L-01_P-001" (solid, pour order 125): 53.975,126.492 53.975,111.379 111.76,111.379 111.76,126.492
NetC62_1 on Int3 (PWR) "NETC62_1_L04_P114" (solid, pour order 114): 153.67,82.677 162.687,82.677 162.56,82.55 162.56,60.833 153.416,60.833
NetC55_1 on Int3 (PWR) "NETC55_1_L04_P112" (solid, pour order 112): 121.285,82.423 130.556,82.423 130.302,82.169 130.302,60.706 121.285,60.706
NetC48_1 on Int3 (PWR) "NETC48_1_L04_P110" (solid, pour order 110): 89.916,82.423 98.806,82.423 98.806,60.452 89.535,60.452
NetL3_2 on Int3 (PWR) "NETL3_2_L04_P109" (solid, pour order 109): 88.138,92.456 99.568,92.456 99.568,84.582 88.138,84.582
NetC36_1 on Int3 (PWR) "NETC36_1_L04_P108" (solid, pour order 108): 58.039,82.55 67.437,82.55 67.437,60.96 58.039,60.96
NetL2_2 on Int3 (PWR) "NETL2_2_L04_P107" (solid, pour order 107): 56.642,92.456 68.072,92.456 68.072,84.709 67.945,84.836 56.515,84.836
no net on Top Solder "NONET_L-01_P-001" (solid): 153.543,76.454 162.814,76.454 162.814,63.881 153.543,63.881
no net on Top Solder "NONET_L-01_P-001" (solid): 121.349,76.454 130.619,76.454 130.619,63.881 121.349,63.881
no net on Top Solder "NONET_L-01_P-001" (solid): 89.662,76.454 98.933,76.454 98.933,63.881 89.662,63.881
no net on Top Solder "NONET_L-01_P-001" (solid): 153.416,57.658 165.1,57.658 165.1,49.022 153.416,49.022
no net on Top Solder "NONET_L-01_P-001" (solid): 121.285,57.531 132.969,57.531 132.969,48.895 121.285,48.895
no net on Top Solder "NONET_L-01_P-001" (solid): 89.535,57.531 101.219,57.531 101.219,48.895 89.535,48.895
no net on Top Solder "NONET_L-01_P-001" (solid): 58.039,76.454 67.31,76.454 67.31,63.881 58.039,63.881
no net on Top Solder "NONET_L-01_P-001" (solid): 57.912,57.658 69.596,57.658 69.596,49.022 57.912,49.022
NetC36_1 on Int1 (GND) (split plane): 67.235,61.162 58.114,61.162 58.114,82.475 67.235,82.475
GND on Int1 (GND) (split plane): 112.274,112.748 110.407,110.881 54.737,110.881 54.639,110.872 54.545,110.843 54.458,110.797 54.382,110.734 54.319,110.658 54.273,110.571 54.244,110.477 54.235,110.379 54.235,93.472 54.244,93.374 54.273,93.28 54.319,93.193 54.382,93.117 54.458,93.054 54.545,93.008 54.639,92.979 54.737,92.97 181.354,92.97 181.354,25.91 31.371,25.91 31.371,126.49 112.274,126.49
NetL2_2 on Int1 (GND) (split plane): 67.743,85.038 56.844,85.038 56.844,92.381 67.743,92.381
NetL3_2 on Int1 (GND) (split plane): 99.366,84.911 88.467,84.911 88.467,92.254 99.366,92.254
GND on Int1 (GND) (split plane): 180.981,93.974 55.239,93.974 55.239,109.876 110.371,109.876 110.392,109.87 110.49,109.861 110.588,109.87 110.609,109.876 110.615,109.876 110.713,109.886 110.807,109.915 110.894,109.961 110.97,110.024 113.131,112.185 113.194,112.261 113.24,112.348 113.269,112.442 113.278,112.54 113.278,125.987 180.981,125.987
NetC55_1 on Int1 (GND) (split plane): 130.354,60.908 121.487,60.908 121.487,82.348 130.354,82.348
NetC62_1 on Int1 (GND) (split plane): 162.612,60.908 153.618,60.908 153.618,82.602 162.612,82.602
NetC48_1 on Int1 (GND) (split plane): 98.731,61.035 89.61,61.035 89.61,82.348 98.731,82.348
NetL5_2 on Int1 (GND) (split plane): 163.247,85.038 152.348,85.038 152.348,92.381 163.247,92.381
NetL4_2 on Int1 (GND) (split plane): 131.116,85.038 120.217,85.038 120.217,92.381 131.116,92.381
NetC36_1 on Int4 (GND) (split plane): 67.235,61.162 58.114,61.162 58.114,82.475 67.235,82.475
GND on Int4 (GND) (split plane): 112.528,112.984 109.901,110.357 54.737,110.357 54.639,110.348 54.545,110.319 54.458,110.273 54.382,110.21 54.319,110.134 54.273,110.047 54.244,109.953 54.235,109.855 54.235,93.472 54.244,93.374 54.273,93.28 54.319,93.193 54.382,93.117 54.458,93.054 54.545,93.008 54.639,92.979 54.737,92.97 181.229,92.97 181.327,92.979 181.354,92.987 181.354,25.91 31.371,25.91 31.371,126.49 112.528,126.49
NetL2_2 on Int4 (GND) (split plane): 67.743,85.038 56.844,85.038 56.844,92.381 67.743,92.381
NetL3_2 on Int4 (GND) (split plane): 99.366,84.911 88.467,84.911 88.467,92.254 99.366,92.254
12V on Int4 (GND) (split plane): 180.727,93.974 55.239,93.974 55.239,109.353 110.109,109.353 110.207,109.362 110.301,109.391 110.388,109.437 110.464,109.5 113.385,112.421 113.448,112.497 113.494,112.584 113.523,112.678 113.532,112.776 113.532,125.987 180.727,125.987
NetC48_1 on Int4 (GND) (split plane): 98.731,82.212 98.731,60.781 89.746,60.781 89.61,60.917 89.61,82.221 98.722,82.221
NetC55_1 on Int4 (GND) (split plane): 130.481,82.466 130.481,82.423 130.481,60.781 121.487,60.781 121.487,82.475 130.472,82.475
NetL4_2 on Int4 (GND) (split plane): 131.116,85.038 120.217,85.038 120.217,92.381 131.116,92.381
NetC62_1 on Int4 (GND) (split plane): 162.612,60.781 153.618,60.781 153.618,82.602 162.612,82.602
NetL5_2 on Int4 (GND) (split plane): 163.247,85.038 152.348,85.038 152.348,92.381 163.247,92.381

## Other copper
Int1 (GND) (plane layer: these items are gaps in the copper):
  lines w0.4: 89.408,82.55 98.933,82.55 ; 89.408,82.55 89.408,60.833 98.933,60.833 98.933,82.55 ; 89.408,82.55 98.933,82.55 ; 89.408,82.55 89.408,60.706 98.933,60.706 98.933,82.55 ; 56.642,84.836 56.642,92.583 67.945,92.583 67.945,84.836 56.642,84.836 ; 57.912,60.96 57.912,82.677 67.437,82.677 67.437,60.96 57.912,60.96 ; 88.265,84.709 99.568,84.709 99.568,92.456 88.265,92.456 88.265,84.709 ; 120.015,84.836 131.318,84.836 131.318,92.583 120.015,92.583 120.015,84.836 ; 121.285,60.706 130.556,60.706 130.556,82.55 128.238,82.55 127.079,82.55 124.762,82.55 123.603,82.55 121.285,82.55 121.285,60.706 ; 152.146,84.836 163.449,84.836 163.449,92.583 152.146,92.583 152.146,84.836 ; 153.416,60.706 162.814,60.706 162.814,82.804 153.416,82.804 153.416,60.706
  lines w1: 110.49,110.363 110.49,110.379 ; 110.49,110.379 110.615,110.379 112.776,112.54 112.776,126.492 112.778,126.49 181.354,126.49 181.483,126.36 181.483,93.472 54.737,93.472 54.737,110.379 110.49,110.379
Int4 (GND) (plane layer: these items are gaps in the copper):
  lines w0.4: 121.285,82.55 121.285,60.579 130.683,60.579 130.683,82.423 130.683,82.55 130.556,82.677 121.412,82.677 ; 56.642,84.836 56.642,92.583 59.182,92.583 67.945,92.583 67.945,84.836 56.642,84.836 ; 57.912,60.96 57.912,82.677 67.437,82.677 67.437,60.96 57.912,60.96 ; 88.265,84.709 99.568,84.709 99.568,92.456 90.805,92.456 88.265,92.456 88.265,84.709 ; 89.408,60.833 89.662,60.579 98.933,60.579 98.933,82.296 98.806,82.423 89.408,82.423 89.408,60.833 ; 120.015,84.836 131.318,84.836 131.318,92.583 122.555,92.583 120.015,92.583 120.015,84.836 ; 152.146,84.836 163.449,84.836 163.449,92.583 154.686,92.583 152.146,92.583 152.146,84.836 ; 153.416,60.579 162.814,60.579 162.814,82.804 153.416,82.804 153.416,60.579
  lines w1: 54.737,93.472 181.229,93.472 181.229,126.365 181.354,126.49 113.032,126.49 113.03,126.492 113.03,112.776 110.109,109.855 54.737,109.855 54.737,93.472